# KiCad board Layer0.kicad_pcb (continued)
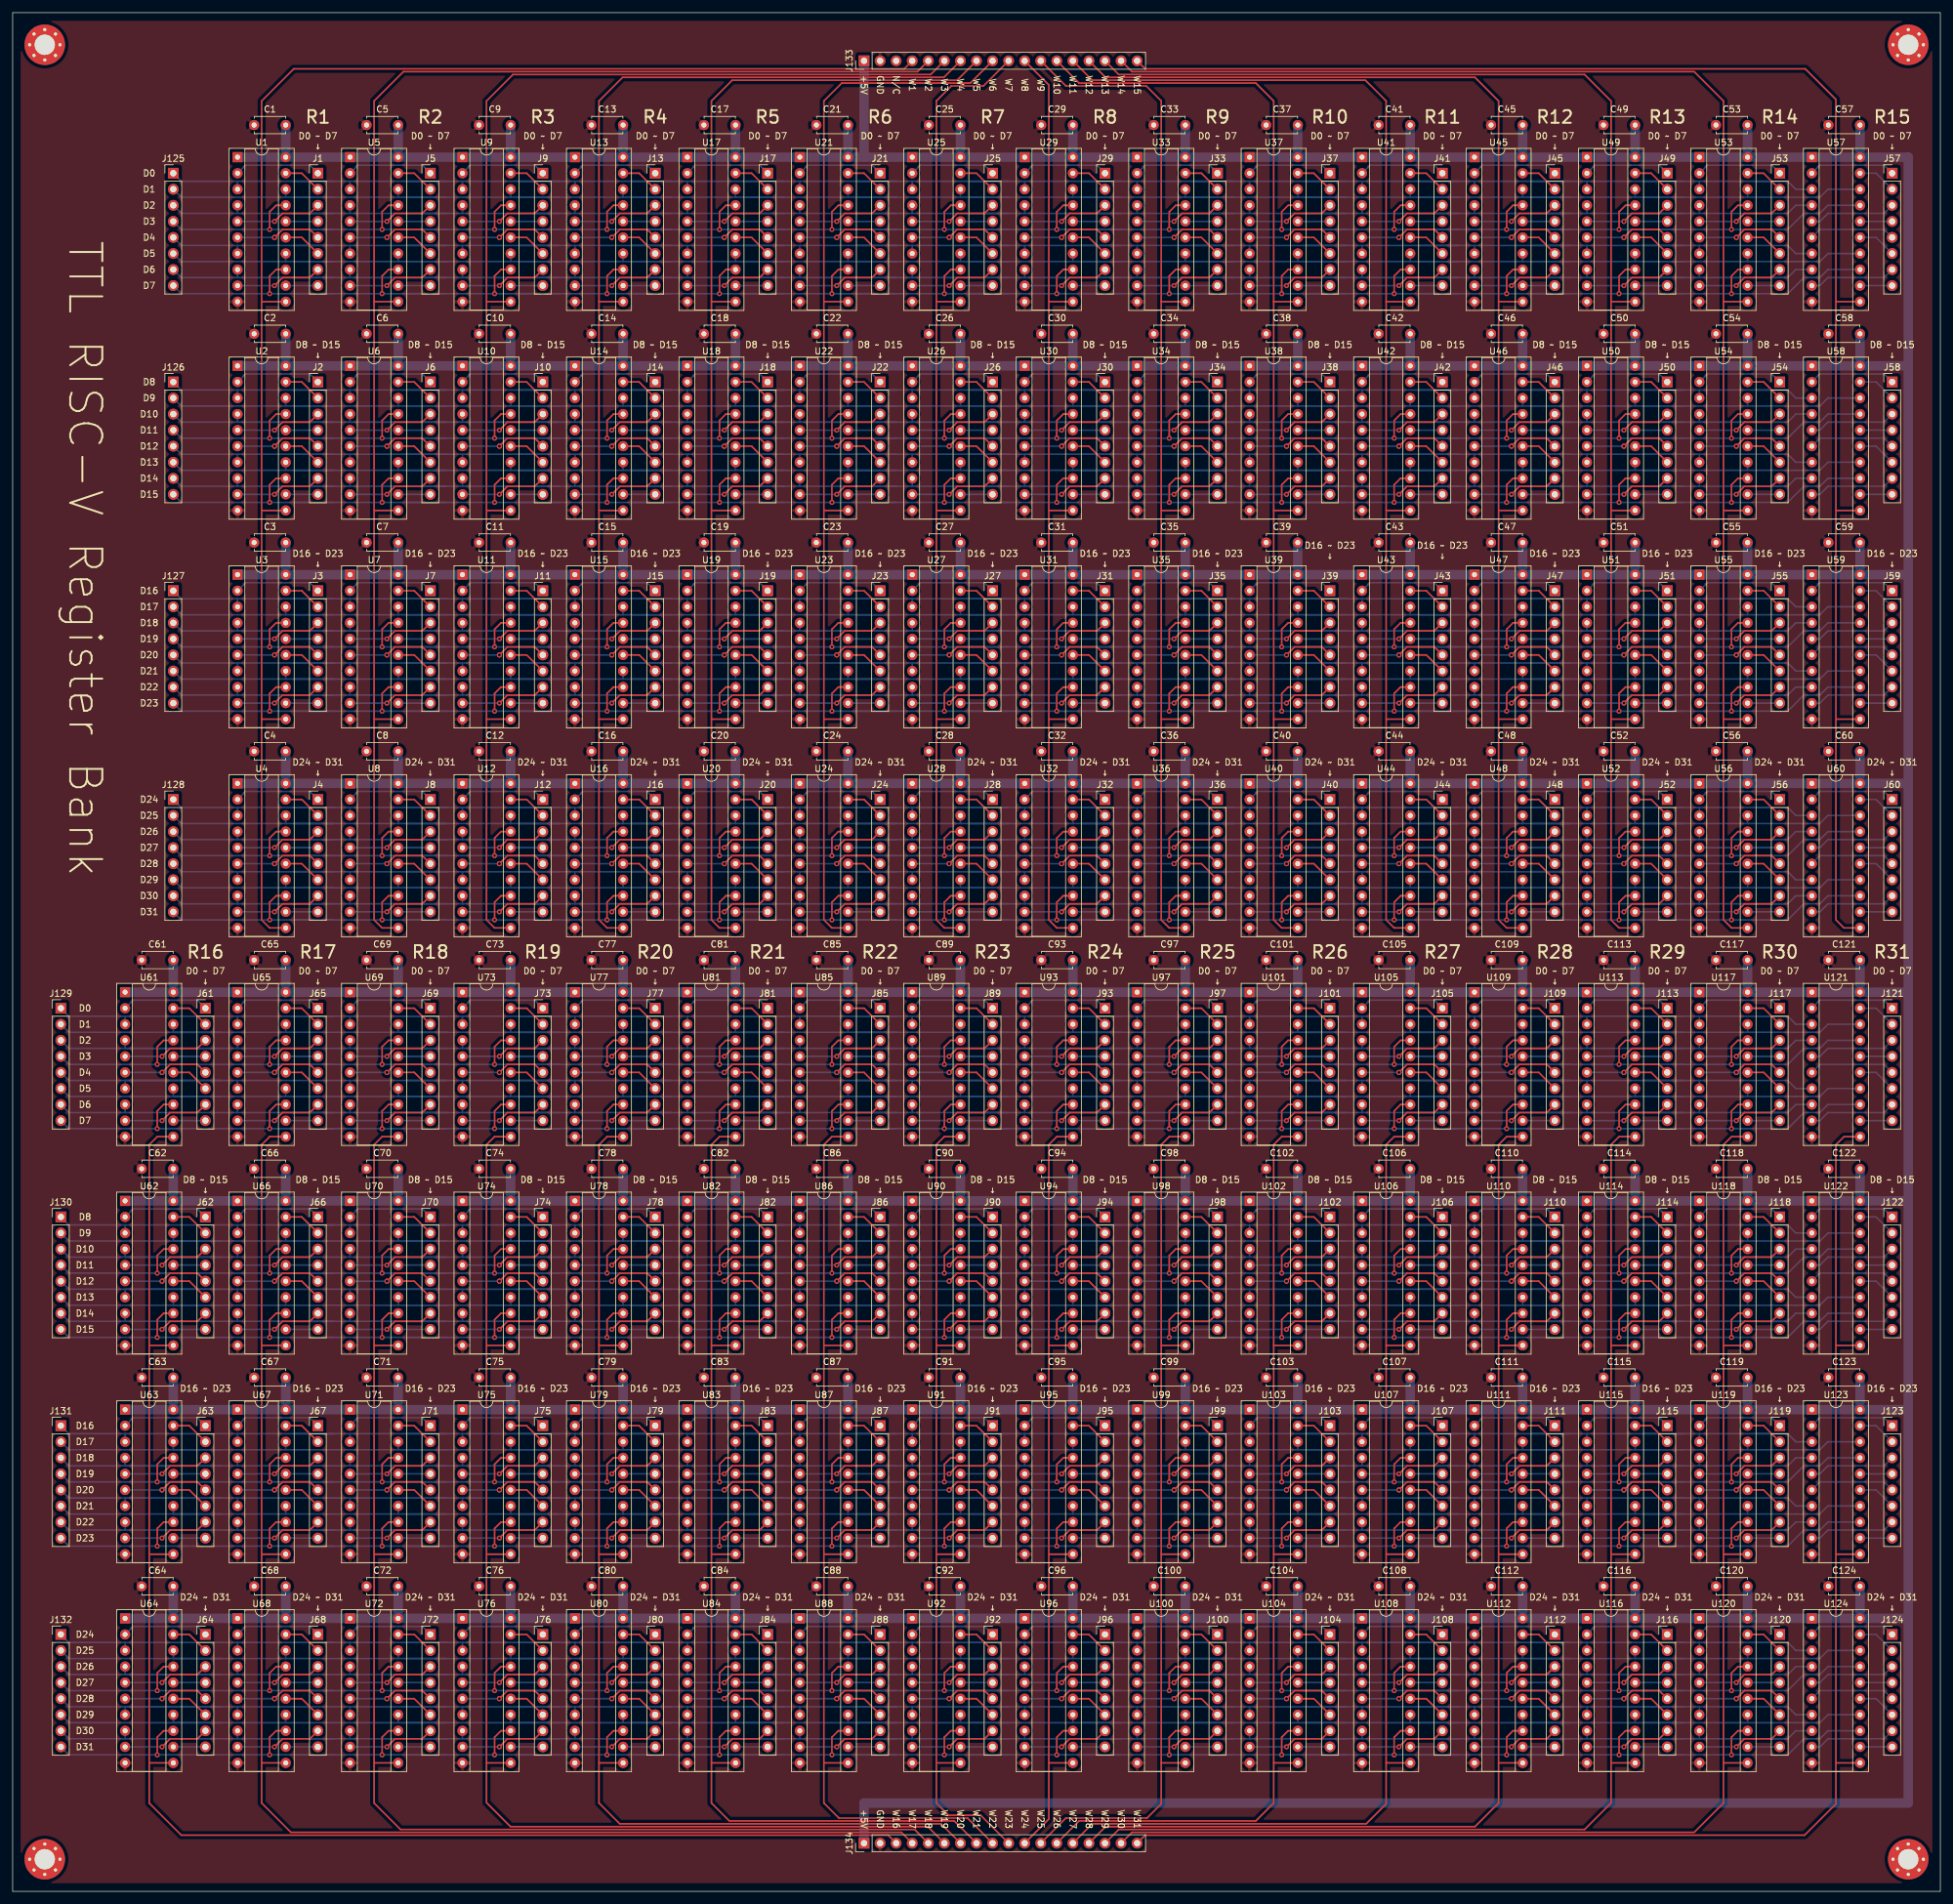
[diagram p0: board, top side]
## Nets (continued)
Net-(J46-Pad5): J46.5 U46.6
Net-(J46-Pad6): J46.6 U46.15
Net-(J46-Pad7): J46.7 U46.9
Net-(J46-Pad8): J46.8 U46.12
Net-(J47-Pad1): J47.1 U47.2
Net-(J47-Pad2): J47.2 U47.19
Net-(J47-Pad3): J47.3 U47.5
Net-(J47-Pad4): J47.4 U47.16
Net-(J47-Pad5): J47.5 U47.6
Net-(J47-Pad6): J47.6 U47.15
Net-(J47-Pad7): J47.7 U47.9
Net-(J47-Pad8): J47.8 U47.12
Net-(J48-Pad1): J48.1 U48.2
Net-(J48-Pad2): J48.2 U48.19
Net-(J48-Pad3): J48.3 U48.5
Net-(J48-Pad4): J48.4 U48.16
Net-(J48-Pad5): J48.5 U48.6
Net-(J48-Pad6): J48.6 U48.15
Net-(J48-Pad7): J48.7 U48.9
Net-(J48-Pad8): J48.8 U48.12
Net-(J49-Pad1): J49.1 U49.2
Net-(J49-Pad2): J49.2 U49.19
Net-(J49-Pad3): J49.3 U49.5
Net-(J49-Pad4): J49.4 U49.16
Net-(J49-Pad5): J49.5 U49.6
Net-(J49-Pad6): J49.6 U49.15
Net-(J49-Pad7): J49.7 U49.9
Net-(J49-Pad8): J49.8 U49.12
Net-(J50-Pad1): J50.1 U50.2
Net-(J50-Pad2): J50.2 U50.19
Net-(J50-Pad3): J50.3 U50.5
Net-(J50-Pad4): J50.4 U50.16
Net-(J50-Pad5): J50.5 U50.6
Net-(J50-Pad6): J50.6 U50.15
Net-(J50-Pad7): J50.7 U50.9
Net-(J50-Pad8): J50.8 U50.12
Net-(J51-Pad1): J51.1 U51.2
Net-(J51-Pad2): J51.2 U51.19
Net-(J51-Pad3): J51.3 U51.5
Net-(J51-Pad4): J51.4 U51.16
Net-(J51-Pad5): J51.5 U51.6
Net-(J51-Pad6): J51.6 U51.15
Net-(J51-Pad7): J51.7 U51.9
Net-(J51-Pad8): J51.8 U51.12
Net-(J52-Pad1): J52.1 U52.2
Net-(J52-Pad2): J52.2 U52.19
Net-(J52-Pad3): J52.3 U52.5
Net-(J52-Pad4): J52.4 U52.16
Net-(J52-Pad5): J52.5 U52.6
Net-(J52-Pad6): J52.6 U52.15
Net-(J52-Pad7): J52.7 U52.9
Net-(J52-Pad8): J52.8 U52.12
Net-(J53-Pad1): J53.1 U53.2
Net-(J53-Pad2): J53.2 U53.19
Net-(J53-Pad3): J53.3 U53.5
Net-(J53-Pad4): J53.4 U53.16
Net-(J53-Pad5): J53.5 U53.6
Net-(J53-Pad6): J53.6 U53.15
Net-(J53-Pad7): J53.7 U53.9
Net-(J53-Pad8): J53.8 U53.12
Net-(J54-Pad1): J54.1 U54.2
Net-(J54-Pad2): J54.2 U54.19
Net-(J54-Pad3): J54.3 U54.5
Net-(J54-Pad4): J54.4 U54.16
Net-(J54-Pad5): J54.5 U54.6
Net-(J54-Pad6): J54.6 U54.15
Net-(J54-Pad7): J54.7 U54.9
Net-(J54-Pad8): J54.8 U54.12
Net-(J55-Pad1): J55.1 U55.2
Net-(J55-Pad2): J55.2 U55.19
Net-(J55-Pad3): J55.3 U55.5
Net-(J55-Pad4): J55.4 U55.16
Net-(J55-Pad5): J55.5 U55.6
Net-(J55-Pad6): J55.6 U55.15
Net-(J55-Pad7): J55.7 U55.9
Net-(J55-Pad8): J55.8 U55.12
Net-(J56-Pad1): J56.1 U56.2
Net-(J56-Pad2): J56.2 U56.19
Net-(J56-Pad3): J56.3 U56.5
Net-(J56-Pad4): J56.4 U56.16
Net-(J56-Pad5): J56.5 U56.6
Net-(J56-Pad6): J56.6 U56.15
Net-(J56-Pad7): J56.7 U56.9
Net-(J56-Pad8): J56.8 U56.12
Net-(J57-Pad1): J57.1 U57.2
Net-(J57-Pad2): J57.2 U57.19
Net-(J57-Pad3): J57.3 U57.5
Net-(J57-Pad4): J57.4 U57.16
Net-(J57-Pad5): J57.5 U57.6
Net-(J57-Pad6): J57.6 U57.15
Net-(J57-Pad7): J57.7 U57.9
Net-(J57-Pad8): J57.8 U57.12
Net-(J58-Pad1): J58.1 U58.2
Net-(J58-Pad2): J58.2 U58.19
Net-(J58-Pad3): J58.3 U58.5
Net-(J58-Pad4): J58.4 U58.16
Net-(J58-Pad5): J58.5 U58.6
Net-(J58-Pad6): J58.6 U58.15
Net-(J58-Pad7): J58.7 U58.9
Net-(J58-Pad8): J58.8 U58.12
Net-(J59-Pad1): J59.1 U59.2
Net-(J59-Pad2): J59.2 U59.19
Net-(J59-Pad3): J59.3 U59.5
Net-(J59-Pad4): J59.4 U59.16
Net-(J59-Pad5): J59.5 U59.6
Net-(J59-Pad6): J59.6 U59.15
Net-(J59-Pad7): J59.7 U59.9
Net-(J59-Pad8): J59.8 U59.12
Net-(J60-Pad1): J60.1 U60.2
Net-(J60-Pad2): J60.2 U60.19
Net-(J60-Pad3): J60.3 U60.5
Net-(J60-Pad4): J60.4 U60.16
Net-(J60-Pad5): J60.5 U60.6
Net-(J60-Pad6): J60.6 U60.15
Net-(J60-Pad7): J60.7 U60.9
Net-(J60-Pad8): J60.8 U60.12
Net-(J61-Pad1): J61.1 U61.2
Net-(J61-Pad2): J61.2 U61.19
Net-(J61-Pad3): J61.3 U61.5
Net-(J61-Pad4): J61.4 U61.16
Net-(J61-Pad5): J61.5 U61.6
Net-(J61-Pad6): J61.6 U61.15
Net-(J61-Pad7): J61.7 U61.9
Net-(J61-Pad8): J61.8 U61.12
Net-(J62-Pad1): J62.1 U62.2
Net-(J62-Pad2): J62.2 U62.19
Net-(J62-Pad3): J62.3 U62.5
Net-(J62-Pad4): J62.4 U62.16
Net-(J62-Pad5): J62.5 U62.6
Net-(J62-Pad6): J62.6 U62.15
Net-(J62-Pad7): J62.7 U62.9
Net-(J62-Pad8): J62.8 U62.12
Net-(J63-Pad1): J63.1 U63.2
Net-(J63-Pad2): J63.2 U63.19
Net-(J63-Pad3): J63.3 U63.5
Net-(J63-Pad4): J63.4 U63.16
Net-(J63-Pad5): J63.5 U63.6
Net-(J63-Pad6): J63.6 U63.15
Net-(J63-Pad7): J63.7 U63.9
Net-(J63-Pad8): J63.8 U63.12
Net-(J64-Pad1): J64.1 U64.2
Net-(J64-Pad2): J64.2 U64.19
Net-(J64-Pad3): J64.3 U64.5
Net-(J64-Pad4): J64.4 U64.16
Net-(J64-Pad5): J64.5 U64.6
Net-(J64-Pad6): J64.6 U64.15
Net-(J64-Pad7): J64.7 U64.9
Net-(J64-Pad8): J64.8 U64.12
Net-(J65-Pad1): J65.1 U65.2
Net-(J65-Pad2): J65.2 U65.19
Net-(J65-Pad3): J65.3 U65.5
Net-(J65-Pad4): J65.4 U65.16
Net-(J65-Pad5): J65.5 U65.6
Net-(J65-Pad6): J65.6 U65.15
Net-(J65-Pad7): J65.7 U65.9
Net-(J65-Pad8): J65.8 U65.12
Net-(J66-Pad1): J66.1 U66.2
Net-(J66-Pad2): J66.2 U66.19
Net-(J66-Pad3): J66.3 U66.5
Net-(J66-Pad4): J66.4 U66.16
Net-(J66-Pad5): J66.5 U66.6
Net-(J66-Pad6): J66.6 U66.15
Net-(J66-Pad7): J66.7 U66.9
Net-(J66-Pad8): J66.8 U66.12
Net-(J67-Pad1): J67.1 U67.2
Net-(J67-Pad2): J67.2 U67.19
Net-(J67-Pad3): J67.3 U67.5
Net-(J67-Pad4): J67.4 U67.16
Net-(J67-Pad5): J67.5 U67.6
Net-(J67-Pad6): J67.6 U67.15
Net-(J67-Pad7): J67.7 U67.9
Net-(J67-Pad8): J67.8 U67.12
Net-(J68-Pad1): J68.1 U68.2
Net-(J68-Pad2): J68.2 U68.19
Net-(J68-Pad3): J68.3 U68.5
Net-(J68-Pad4): J68.4 U68.16
Net-(J68-Pad5): J68.5 U68.6
Net-(J68-Pad6): J68.6 U68.15
Net-(J68-Pad7): J68.7 U68.9
Net-(J68-Pad8): J68.8 U68.12
Net-(J69-Pad1): J69.1 U69.2
Net-(J69-Pad2): J69.2 U69.19
Net-(J69-Pad3): J69.3 U69.5
Net-(J69-Pad4): J69.4 U69.16
Net-(J69-Pad5): J69.5 U69.6
Net-(J69-Pad6): J69.6 U69.15
Net-(J69-Pad7): J69.7 U69.9
Net-(J69-Pad8): J69.8 U69.12
Net-(J70-Pad1): J70.1 U70.2
Net-(J70-Pad2): J70.2 U70.19
Net-(J70-Pad3): J70.3 U70.5
Net-(J70-Pad4): J70.4 U70.16
Net-(J70-Pad5): J70.5 U70.6
Net-(J70-Pad6): J70.6 U70.15
Net-(J70-Pad7): J70.7 U70.9
Net-(J70-Pad8): J70.8 U70.12
Net-(J71-Pad1): J71.1 U71.2
Net-(J71-Pad2): J71.2 U71.19
Net-(J71-Pad3): J71.3 U71.5
Net-(J71-Pad4): J71.4 U71.16
Net-(J71-Pad5): J71.5 U71.6
Net-(J71-Pad6): J71.6 U71.15
Net-(J71-Pad7): J71.7 U71.9
Net-(J71-Pad8): J71.8 U71.12
Net-(J72-Pad1): J72.1 U72.2
Net-(J72-Pad2): J72.2 U72.19
Net-(J72-Pad3): J72.3 U72.5
Net-(J72-Pad4): J72.4 U72.16
Net-(J72-Pad5): J72.5 U72.6
Net-(J72-Pad6): J72.6 U72.15
Net-(J72-Pad7): J72.7 U72.9
Net-(J72-Pad8): J72.8 U72.12
Net-(J73-Pad1): J73.1 U73.2
Net-(J73-Pad2): J73.2 U73.19
Net-(J73-Pad3): J73.3 U73.5
Net-(J73-Pad4): J73.4 U73.16
Net-(J73-Pad5): J73.5 U73.6
Net-(J73-Pad6): J73.6 U73.15
Net-(J73-Pad7): J73.7 U73.9
Net-(J73-Pad8): J73.8 U73.12
Net-(J74-Pad1): J74.1 U74.2
Net-(J74-Pad2): J74.2 U74.19
Net-(J74-Pad3): J74.3 U74.5
Net-(J74-Pad4): J74.4 U74.16
Net-(J74-Pad5): J74.5 U74.6
Net-(J74-Pad6): J74.6 U74.15
Net-(J74-Pad7): J74.7 U74.9
Net-(J74-Pad8): J74.8 U74.12
Net-(J75-Pad1): J75.1 U75.2
Net-(J75-Pad2): J75.2 U75.19
Net-(J75-Pad3): J75.3 U75.5
Net-(J75-Pad4): J75.4 U75.16
Net-(J75-Pad5): J75.5 U75.6
Net-(J75-Pad6): J75.6 U75.15
Net-(J75-Pad7): J75.7 U75.9
Net-(J75-Pad8): J75.8 U75.12
Net-(J76-Pad1): J76.1 U76.2
Net-(J76-Pad2): J76.2 U76.19
Net-(J76-Pad3): J76.3 U76.5
Net-(J76-Pad4): J76.4 U76.16
Net-(J76-Pad5): J76.5 U76.6
Net-(J76-Pad6): J76.6 U76.15
Net-(J76-Pad7): J76.7 U76.9
Net-(J76-Pad8): J76.8 U76.12
Net-(J77-Pad1): J77.1 U77.2
Net-(J77-Pad2): J77.2 U77.19
Net-(J77-Pad3): J77.3 U77.5
Net-(J77-Pad4): J77.4 U77.16
Net-(J77-Pad5): J77.5 U77.6
Net-(J77-Pad6): J77.6 U77.15
Net-(J77-Pad7): J77.7 U77.9
Net-(J77-Pad8): J77.8 U77.12
Net-(J78-Pad1): J78.1 U78.2
Net-(J78-Pad2): J78.2 U78.19
Net-(J78-Pad3): J78.3 U78.5
Net-(J78-Pad4): J78.4 U78.16
Net-(J78-Pad5): J78.5 U78.6
Net-(J78-Pad6): J78.6 U78.15
Net-(J78-Pad7): J78.7 U78.9
Net-(J78-Pad8): J78.8 U78.12
Net-(J79-Pad1): J79.1 U79.2
Net-(J79-Pad2): J79.2 U79.19
Net-(J79-Pad3): J79.3 U79.5
Net-(J79-Pad4): J79.4 U79.16
Net-(J79-Pad5): J79.5 U79.6
Net-(J79-Pad6): J79.6 U79.15
Net-(J79-Pad7): J79.7 U79.9
Net-(J79-Pad8): J79.8 U79.12
Net-(J80-Pad1): J80.1 U80.2
Net-(J80-Pad2): J80.2 U80.19
Net-(J80-Pad3): J80.3 U80.5
Net-(J80-Pad4): J80.4 U80.16
Net-(J80-Pad5): J80.5 U80.6
Net-(J80-Pad6): J80.6 U80.15
Net-(J80-Pad7): J80.7 U80.9
Net-(J80-Pad8): J80.8 U80.12
Net-(J81-Pad1): J81.1 U81.2
Net-(J81-Pad2): J81.2 U81.19
Net-(J81-Pad3): J81.3 U81.5
Net-(J81-Pad4): J81.4 U81.16
Net-(J81-Pad5): J81.5 U81.6
Net-(J81-Pad6): J81.6 U81.15
Net-(J81-Pad7): J81.7 U81.9
Net-(J81-Pad8): J81.8 U81.12
Net-(J82-Pad1): J82.1 U82.2
Net-(J82-Pad2): J82.2 U82.19
Net-(J82-Pad3): J82.3 U82.5
Net-(J82-Pad4): J82.4 U82.16
Net-(J82-Pad5): J82.5 U82.6
Net-(J82-Pad6): J82.6 U82.15
Net-(J82-Pad7): J82.7 U82.9
Net-(J82-Pad8): J82.8 U82.12
Net-(J83-Pad1): J83.1 U83.2
Net-(J83-Pad2): J83.2 U83.19
Net-(J83-Pad3): J83.3 U83.5
Net-(J83-Pad4): J83.4 U83.16
Net-(J83-Pad5): J83.5 U83.6
Net-(J83-Pad6): J83.6 U83.15
Net-(J83-Pad7): J83.7 U83.9
Net-(J83-Pad8): J83.8 U83.12
Net-(J84-Pad1): J84.1 U84.2
Net-(J84-Pad2): J84.2 U84.19
Net-(J84-Pad3): J84.3 U84.5
Net-(J84-Pad4): J84.4 U84.16
Net-(J84-Pad5): J84.5 U84.6
Net-(J84-Pad6): J84.6 U84.15
Net-(J84-Pad7): J84.7 U84.9
Net-(J84-Pad8): J84.8 U84.12
Net-(J85-Pad1): J85.1 U85.2
Net-(J85-Pad2): J85.2 U85.19
Net-(J85-Pad3): J85.3 U85.5
Net-(J85-Pad4): J85.4 U85.16
Net-(J85-Pad5): J85.5 U85.6
Net-(J85-Pad6): J85.6 U85.15
Net-(J85-Pad7): J85.7 U85.9
Net-(J85-Pad8): J85.8 U85.12
Net-(J86-Pad1): J86.1 U86.2
Net-(J86-Pad2): J86.2 U86.19
Net-(J86-Pad3): J86.3 U86.5
Net-(J86-Pad4): J86.4 U86.16
Net-(J86-Pad5): J86.5 U86.6
Net-(J86-Pad6): J86.6 U86.15
Net-(J86-Pad7): J86.7 U86.9
Net-(J86-Pad8): J86.8 U86.12
Net-(J87-Pad1): J87.1 U87.2
Net-(J87-Pad2): J87.2 U87.19
Net-(J87-Pad3): J87.3 U87.5
Net-(J87-Pad4): J87.4 U87.16
Net-(J87-Pad5): J87.5 U87.6
Net-(J87-Pad6): J87.6 U87.15
Net-(J87-Pad7): J87.7 U87.9
Net-(J87-Pad8): J87.8 U87.12
Net-(J88-Pad1): J88.1 U88.2
Net-(J88-Pad2): J88.2 U88.19
Net-(J88-Pad3): J88.3 U88.5
Net-(J88-Pad4): J88.4 U88.16
Net-(J88-Pad5): J88.5 U88.6
Net-(J88-Pad6): J88.6 U88.15
Net-(J88-Pad7): J88.7 U88.9
Net-(J88-Pad8): J88.8 U88.12
Net-(J89-Pad1): J89.1 U89.2
Net-(J89-Pad2): J89.2 U89.19
Net-(J89-Pad3): J89.3 U89.5
Net-(J89-Pad4): J89.4 U89.16
Net-(J89-Pad5): J89.5 U89.6
Net-(J89-Pad6): J89.6 U89.15
Net-(J89-Pad7): J89.7 U89.9
Net-(J89-Pad8): J89.8 U89.12
Net-(J90-Pad1): J90.1 U90.2
Net-(J90-Pad2): J90.2 U90.19
Net-(J90-Pad3): J90.3 U90.5
Net-(J90-Pad4): J90.4 U90.16
Net-(J90-Pad5): J90.5 U90.6
Net-(J90-Pad6): J90.6 U90.15
Net-(J90-Pad7): J90.7 U90.9
Net-(J90-Pad8): J90.8 U90.12
Net-(J91-Pad1): J91.1 U91.2
Net-(J91-Pad2): J91.2 U91.19
Net-(J91-Pad3): J91.3 U91.5
Net-(J91-Pad4): J91.4 U91.16
Net-(J91-Pad5): J91.5 U91.6
Net-(J91-Pad6): J91.6 U91.15
Net-(J91-Pad7): J91.7 U91.9
Net-(J91-Pad8): J91.8 U91.12
Net-(J92-Pad1): J92.1 U92.2
Net-(J92-Pad2): J92.2 U92.19
Net-(J92-Pad3): J92.3 U92.5
Net-(J92-Pad4): J92.4 U92.16
Net-(J92-Pad5): J92.5 U92.6
Net-(J92-Pad6): J92.6 U92.15
Net-(J92-Pad7): J92.7 U92.9
Net-(J92-Pad8): J92.8 U92.12
Net-(J93-Pad1): J93.1 U93.2
Net-(J93-Pad2): J93.2 U93.19
Net-(J93-Pad3): J93.3 U93.5
Net-(J93-Pad4): J93.4 U93.16
Net-(J93-Pad5): J93.5 U93.6
Net-(J93-Pad6): J93.6 U93.15
Net-(J93-Pad7): J93.7 U93.9
Net-(J93-Pad8): J93.8 U93.12
Net-(J94-Pad1): J94.1 U94.2
Net-(J94-Pad2): J94.2 U94.19
Net-(J94-Pad3): J94.3 U94.5
Net-(J94-Pad4): J94.4 U94.16
Net-(J94-Pad5): J94.5 U94.6
Net-(J94-Pad6): J94.6 U94.15
Net-(J94-Pad7): J94.7 U94.9
Net-(J94-Pad8): J94.8 U94.12
Net-(J95-Pad1): J95.1 U95.2
Net-(J95-Pad2): J95.2 U95.19
Net-(J95-Pad3): J95.3 U95.5
Net-(J95-Pad4): J95.4 U95.16
Net-(J95-Pad5): J95.5 U95.6
Net-(J95-Pad6): J95.6 U95.15
Net-(J95-Pad7): J95.7 U95.9
Net-(J95-Pad8): J95.8 U95.12
Net-(J96-Pad1): J96.1 U96.2
Net-(J96-Pad2): J96.2 U96.19
Net-(J96-Pad3): J96.3 U96.5
Net-(J96-Pad4): J96.4 U96.16
Net-(J96-Pad5): J96.5 U96.6
Net-(J96-Pad6): J96.6 U96.15
Net-(J96-Pad7): J96.7 U96.9
Net-(J96-Pad8): J96.8 U96.12
Net-(J97-Pad1): J97.1 U97.2
Net-(J97-Pad2): J97.2 U97.19
Net-(J97-Pad3): J97.3 U97.5
Net-(J97-Pad4): J97.4 U97.16
Net-(J97-Pad5): J97.5 U97.6
Net-(J97-Pad6): J97.6 U97.15
Net-(J97-Pad7): J97.7 U97.9
Net-(J97-Pad8): J97.8 U97.12
Net-(J98-Pad1): J98.1 U98.2
Net-(J98-Pad2): J98.2 U98.19
Net-(J98-Pad3): J98.3 U98.5
Net-(J98-Pad4): J98.4 U98.16
Net-(J98-Pad5): J98.5 U98.6
Net-(J98-Pad6): J98.6 U98.15
Net-(J98-Pad7): J98.7 U98.9
Net-(J98-Pad8): J98.8 U98.12
Net-(J99-Pad1): J99.1 U99.2
Net-(J99-Pad2): J99.2 U99.19
Net-(J99-Pad3): J99.3 U99.5
Net-(J99-Pad4): J99.4 U99.16
Net-(J99-Pad5): J99.5 U99.6
Net-(J99-Pad6): J99.6 U99.15
Net-(J99-Pad7): J99.7 U99.9
Net-(J99-Pad8): J99.8 U99.12
Net-(J100-Pad1): J100.1 U100.2
Net-(J100-Pad2): J100.2 U100.19
Net-(J100-Pad3): J100.3 U100.5
Net-(J100-Pad4): J100.4 U100.16
Net-(J100-Pad5): J100.5 U100.6
Net-(J100-Pad6): J100.6 U100.15
Net-(J100-Pad7): J100.7 U100.9
Net-(J100-Pad8): J100.8 U100.12
Net-(J101-Pad1): J101.1 U101.2
Net-(J101-Pad2): J101.2 U101.19
Net-(J101-Pad3): J101.3 U101.5
Net-(J101-Pad4): J101.4 U101.16
Net-(J101-Pad5): J101.5 U101.6
Net-(J101-Pad6): J101.6 U101.15
Net-(J101-Pad7): J101.7 U101.9
Net-(J101-Pad8): J101.8 U101.12
Net-(J102-Pad1): J102.1 U102.2
Net-(J102-Pad2): J102.2 U102.19
Net-(J102-Pad3): J102.3 U102.5
Net-(J102-Pad4): J102.4 U102.16
Net-(J102-Pad5): J102.5 U102.6
Net-(J102-Pad6): J102.6 U102.15
Net-(J102-Pad7): J102.7 U102.9
Net-(J102-Pad8): J102.8 U102.12
Net-(J103-Pad1): J103.1 U103.2
Net-(J103-Pad2): J103.2 U103.19
Net-(J103-Pad3): J103.3 U103.5
Net-(J103-Pad4): J103.4 U103.16
Net-(J103-Pad5): J103.5 U103.6
Net-(J103-Pad6): J103.6 U103.15
Net-(J103-Pad7): J103.7 U103.9
Net-(J103-Pad8): J103.8 U103.12
Net-(J104-Pad1): J104.1 U104.2
Net-(J104-Pad2): J104.2 U104.19
Net-(J104-Pad3): J104.3 U104.5
Net-(J104-Pad4): J104.4 U104.16
Net-(J104-Pad5): J104.5 U104.6
Net-(J104-Pad6): J104.6 U104.15
Net-(J104-Pad7): J104.7 U104.9
Net-(J104-Pad8): J104.8 U104.12
Net-(J105-Pad1): J105.1 U105.2
Net-(J105-Pad2): J105.2 U105.19
Net-(J105-Pad3): J105.3 U105.5
Net-(J105-Pad4): J105.4 U105.16
Net-(J105-Pad5): J105.5 U105.6
Net-(J105-Pad6): J105.6 U105.15
Net-(J105-Pad7): J105.7 U105.9
Net-(J105-Pad8): J105.8 U105.12
Net-(J106-Pad1): J106.1 U106.2
Net-(J106-Pad2): J106.2 U106.19
Net-(J106-Pad3): J106.3 U106.5
Net-(J106-Pad4): J106.4 U106.16
Net-(J106-Pad5): J106.5 U106.6
Net-(J106-Pad6): J106.6 U106.15
Net-(J106-Pad7): J106.7 U106.9
Net-(J106-Pad8): J106.8 U106.12
Net-(J107-Pad1): J107.1 U107.2
Net-(J107-Pad2): J107.2 U107.19
Net-(J107-Pad3): J107.3 U107.5
Net-(J107-Pad4): J107.4 U107.16
Net-(J107-Pad5): J107.5 U107.6
Net-(J107-Pad6): J107.6 U107.15
Net-(J107-Pad7): J107.7 U107.9
Net-(J107-Pad8): J107.8 U107.12
Net-(J108-Pad1): J108.1 U108.2
Net-(J108-Pad2): J108.2 U108.19
Net-(J108-Pad3): J108.3 U108.5
Net-(J108-Pad4): J108.4 U108.16
Net-(J108-Pad5): J108.5 U108.6
Net-(J108-Pad6): J108.6 U108.15
Net-(J108-Pad7): J108.7 U108.9
Net-(J108-Pad8): J108.8 U108.12
Net-(J109-Pad1): J109.1 U109.2
Net-(J109-Pad2): J109.2 U109.19
Net-(J109-Pad3): J109.3 U109.5
Net-(J109-Pad4): J109.4 U109.16
Net-(J109-Pad5): J109.5 U109.6
Net-(J109-Pad6): J109.6 U109.15
Net-(J109-Pad7): J109.7 U109.9
Net-(J109-Pad8): J109.8 U109.12
Net-(J110-Pad1): J110.1 U110.2
Net-(J110-Pad2): J110.2 U110.19
Net-(J110-Pad3): J110.3 U110.5
Net-(J110-Pad4): J110.4 U110.16
Net-(J110-Pad5): J110.5 U110.6
Net-(J110-Pad6): J110.6 U110.15
Net-(J110-Pad7): J110.7 U110.9
Net-(J110-Pad8): J110.8 U110.12
Net-(J111-Pad1): J111.1 U111.2
Net-(J111-Pad2): J111.2 U111.19
Net-(J111-Pad3): J111.3 U111.5
Net-(J111-Pad4): J111.4 U111.16
Net-(J111-Pad5): J111.5 U111.6
Net-(J111-Pad6): J111.6 U111.15
Net-(J111-Pad7): J111.7 U111.9
Net-(J111-Pad8): J111.8 U111.12
Net-(J112-Pad1): J112.1 U112.2
Net-(J112-Pad2): J112.2 U112.19
Net-(J112-Pad3): J112.3 U112.5
Net-(J112-Pad4): J112.4 U112.16
Net-(J112-Pad5): J112.5 U112.6
Net-(J112-Pad6): J112.6 U112.15
Net-(J112-Pad7): J112.7 U112.9
Net-(J112-Pad8): J112.8 U112.12
Net-(J113-Pad1): J113.1 U113.2
Net-(J113-Pad2): J113.2 U113.19
Net-(J113-Pad3): J113.3 U113.5
Net-(J113-Pad4): J113.4 U113.16
Net-(J113-Pad5): J113.5 U113.6
Net-(J113-Pad6): J113.6 U113.15
Net-(J113-Pad7): J113.7 U113.9
Net-(J113-Pad8): J113.8 U113.12
Net-(J114-Pad1): J114.1 U114.2
Net-(J114-Pad2): J114.2 U114.19
Net-(J114-Pad3): J114.3 U114.5
Net-(J114-Pad4): J114.4 U114.16
Net-(J114-Pad5): J114.5 U114.6
Net-(J114-Pad6): J114.6 U114.15
Net-(J114-Pad7): J114.7 U114.9
Net-(J114-Pad8): J114.8 U114.12
Net-(J115-Pad1): J115.1 U115.2
Net-(J115-Pad2): J115.2 U115.19
Net-(J115-Pad3): J115.3 U115.5
Net-(J115-Pad4): J115.4 U115.16
Net-(J115-Pad5): J115.5 U115.6
Net-(J115-Pad6): J115.6 U115.15
Net-(J115-Pad7): J115.7 U115.9
Net-(J115-Pad8): J115.8 U115.12
Net-(J116-Pad1): J116.1 U116.2
Net-(J116-Pad2): J116.2 U116.19
Net-(J116-Pad3): J116.3 U116.5
Net-(J116-Pad4): J116.4 U116.16
Net-(J116-Pad5): J116.5 U116.6
Net-(J116-Pad6): J116.6 U116.15
Net-(J116-Pad7): J116.7 U116.9
Net-(J116-Pad8): J116.8 U116.12
Net-(J117-Pad1): J117.1 U117.2
Net-(J117-Pad2): J117.2 U117.19
Net-(J117-Pad3): J117.3 U117.5
Net-(J117-Pad4): J117.4 U117.16
Net-(J117-Pad5): J117.5 U117.6
Net-(J117-Pad6): J117.6 U117.15
Net-(J117-Pad7): J117.7 U117.9
Net-(J117-Pad8): J117.8 U117.12
Net-(J118-Pad1): J118.1 U118.2
Net-(J118-Pad2): J118.2 U118.19
Net-(J118-Pad3): J118.3 U118.5
Net-(J118-Pad4): J118.4 U118.16
Net-(J118-Pad5): J118.5 U118.6
Net-(J118-Pad6): J118.6 U118.15
Net-(J118-Pad7): J118.7 U118.9
Net-(J118-Pad8): J118.8 U118.12
Net-(J119-Pad1): J119.1 U119.2
Net-(J119-Pad2): J119.2 U119.19
Net-(J119-Pad3): J119.3 U119.5
Net-(J119-Pad4): J119.4 U119.16
Net-(J119-Pad5): J119.5 U119.6
Net-(J119-Pad6): J119.6 U119.15
Net-(J119-Pad7): J119.7 U119.9
Net-(J119-Pad8): J119.8 U119.12
Net-(J120-Pad1): J120.1 U120.2
Net-(J120-Pad2): J120.2 U120.19
Net-(J120-Pad3): J120.3 U120.5
Net-(J120-Pad4): J120.4 U120.16
Net-(J120-Pad5): J120.5 U120.6
Net-(J120-Pad6): J120.6 U120.15
Net-(J120-Pad7): J120.7 U120.9
Net-(J120-Pad8): J120.8 U120.12
Net-(J121-Pad1): J121.1 U121.2
Net-(J121-Pad2): J121.2 U121.19
Net-(J121-Pad3): J121.3 U121.5
Net-(J121-Pad4): J121.4 U121.16
Net-(J121-Pad5): J121.5 U121.6
Net-(J121-Pad6): J121.6 U121.15
Net-(J121-Pad7): J121.7 U121.9
Net-(J121-Pad8): J121.8 U121.12
Net-(J122-Pad1): J122.1 U122.2
Net-(J122-Pad2): J122.2 U122.19
Net-(J122-Pad3): J122.3 U122.5
Net-(J122-Pad4): J122.4 U122.16
Net-(J122-Pad5): J122.5 U122.6
Net-(J122-Pad6): J122.6 U122.15
Net-(J122-Pad7): J122.7 U122.9
Net-(J122-Pad8): J122.8 U122.12
Net-(J123-Pad1): J123.1 U123.2
Net-(J123-Pad2): J123.2 U123.19
Net-(J123-Pad3): J123.3 U123.5
Net-(J123-Pad4): J123.4 U123.16
Net-(J123-Pad5): J123.5 U123.6
Net-(J123-Pad6): J123.6 U123.15
Net-(J123-Pad7): J123.7 U123.9
Net-(J123-Pad8): J123.8 U123.12
Net-(J124-Pad1): J124.1 U124.2
Net-(J124-Pad2): J124.2 U124.19
Net-(J124-Pad3): J124.3 U124.5
Net-(J124-Pad4): J124.4 U124.16
Net-(J124-Pad5): J124.5 U124.6
Net-(J124-Pad6): J124.6 U124.15
Net-(J124-Pad7): J124.7 U124.9
Net-(J124-Pad8): J124.8 U124.12

Pads without a net: J133 3; REF** 1; REF**#2 1; REF**#3 1; REF**#4 1

## Via types
v1: diameter 0.8, hole 0.4, Top to Bottom, 696 vias

## Routing (per net, layer and track width the routed paths; a pad name or vN(x,y) marks a point on that pad's centre or on a via; arc(x,y) is an arc through that point)
+5V: length 3261.4
  Bottom w1.5: C68.2 U68.20 ; C72.2 U72.20 ; C76.2 U76.20 ; C80.2 U80.20 ; C88.2 U88.20 ; C92.2 U92.20 ; C84.2 U84.20 ; C96.2 U96.20 ; C104.2 U104.20 ; C112.2 U112.20 ; C108.2 U108.20 ; C116.2 U116.20 ; C120.2 U120.20 ; C124.2 U124.20 ; U124.20 U64.1 ; U124.20 299.72,43.18 ; C100.2 U100.20 ; C60.2 U60.20 ; U60.20 299.72,175.26 ; U60.20 U4.1 ; C59.2 U59.20 ; U59.20 299.72,208.28 ; U59.20 U3.1 ; C58.2 U58.20 ; U58.20 299.72,241.3 ; U58.20 U2.1 ; C57.2 U57.20 ; U57.20 134.62,274.32 ; U57.20 299.72,274.32 299.72,241.3 ; C117.2 U117.20 ; C118.2 U118.20 ; C119.2 U119.20 ; C36.2 U36.20 ; C35.2 U35.20 ; C34.2 U34.20 ; C33.2 U33.20 ; C93.2 U93.20 ; C94.2 U94.20 ; C95.2 U95.20 ; C40.2 U40.20 ; C39.2 U39.20 ; C38.2 U38.20 ; C37.2 U37.20 ; C97.2 U97.20 ; C98.2 U98.20 ; C99.2 U99.20 ; C4.2 U4.20 ; C3.2 U3.20 ; C2.2 U2.20 ; C1.2 U1.20 ; C61.2 U61.20 ; C62.2 U62.20 ; C63.2 U63.20 ; C56.2 U56.20 ; C55.2 U55.20 ; C54.2 U54.20 ; C53.2 U53.20 ; C113.2 U113.20 ; C114.2 U114.20 ; C115.2 U115.20 ; C52.2 U52.20 ; C51.2 U51.20 ; C50.2 U50.20 ; C49.2 U49.20 ; C109.2 U109.20 ; C110.2 U110.20 ; C111.2 U111.20 ; C121.2 U121.20 ; U121.20 299.72,142.24 ; U121.20 U61.1 ; C122.2 U122.20 ; U122.20 U62.1 ; U122.20 299.72,109.22 ; C123.2 U123.20 ; U123.20 U63.1 ; U123.20 299.72,76.2 ; C45.2 U45.20 ; C46.2 U46.20 ; C47.2 U47.20 ; C48.2 U48.20 ; C105.2 U105.20 ; C106.2 U106.20 ; C107.2 U107.20 ; C41.2 U41.20 ; C42.2 U42.20 ; C43.2 U43.20 ; C44.2 U44.20 ; C101.2 U101.20 ; C102.2 U102.20 ; C103.2 U103.20 ; C9.2 U9.20 ; C10.2 U10.20 ; C11.2 U11.20 ; C12.2 U12.20 ; C69.2 U69.20 ; C70.2 U70.20 ; C71.2 U71.20 ; C17.2 U17.20 ; C18.2 U18.20 ; C19.2 U19.20 ; C20.2 U20.20 ; C77.2 U77.20 ; C78.2 U78.20 ; C79.2 U79.20 ; C13.2 U13.20 ; C14.2 U14.20 ; C15.2 U15.20 ; C16.2 U16.20 ; C73.2 U73.20 ; C74.2 U74.20 ; C75.2 U75.20 ; C21.2 U21.20 ; C22.2 U22.20 ; C23.2 U23.20 ; C24.2 U24.20 ; C81.2 U81.20 ; C82.2 U82.20 ; C83.2 U83.20 ; C25.2 U25.20 ; C26.2 U26.20 ; C27.2 U27.20 ; C28.2 U28.20 ; C85.2 U85.20 ; C86.2 U86.20 ; C87.2 U87.20 ; C29.2 U29.20 ; C30.2 U30.20 ; C31.2 U31.20 ; C32.2 U32.20 ; C89.2 U89.20 ; C90.2 U90.20 ; C91.2 U91.20 ; C5.2 U5.20 ; C6.2 U6.20 ; C7.2 U7.20 ; C8.2 U8.20 ; C65.2 U65.20 ; C66.2 U66.20 ; C67.2 U67.20 ; 134.62,274.32 U1.1 ; 134.62,274.32 J133.1 ; C64.2 U64.20 ; J134.1 134.62,13.97 299.72,13.97 299.72,43.18 ; 299.72,76.2 299.72,43.18 ; 299.72,76.2 299.72,109.22 ; 299.72,208.28 299.72,241.3 ; 299.72,208.28 299.72,175.26 ; 299.72,142.24 299.72,175.26 ; 299.72,142.24 299.72,109.22
/D_W0_0: length 365.5
  Bottom w0.25: 88.9,270.51 104.14,270.51 ; 88.9,270.51 80.01,270.51 ; 88.9,270.51 U13.3 ; 71.12,270.51 86.36,270.51 ; 71.12,270.51 62.23,270.51 ; 71.12,270.51 U9.3 ; 53.34,270.51 68.58,270.51 ; 53.34,270.51 44.45,270.51 ; 53.34,270.51 U5.3 ; 204.47,270.51 213.36,270.51 ; 213.36,270.51 228.6,270.51 ; 213.36,270.51 U41.3 ; 133.35,270.51 142.24,270.51 ; 142.24,270.51 157.48,270.51 ; 142.24,270.51 U25.3 ; 248.92,270.51 264.16,270.51 ; 248.92,270.51 240.03,270.51 ; 248.92,270.51 U49.3 ; 177.8,270.51 193.04,270.51 ; 177.8,270.51 168.91,270.51 ; 177.8,270.51 U33.3 ; 106.68,270.51 121.92,270.51 ; 106.68,270.51 97.79,270.51 ; 106.68,270.51 U17.3 ; 222.25,270.51 231.14,270.51 ; 231.14,270.51 246.38,270.51 ; 231.14,270.51 U45.3 ; 151.13,270.51 160.02,270.51 ; 160.02,270.51 175.26,270.51 ; 160.02,270.51 U29.3 ; 257.81,270.51 266.7,270.51 ; 266.7,270.51 U53.3 ; 266.7,270.51 280.67,270.51 ; 186.69,270.51 195.58,270.51 ; 195.58,270.51 U37.3 ; 195.58,270.51 210.82,270.51 ; 115.57,270.51 124.46,270.51 ; 124.46,270.51 U21.3 ; 124.46,270.51 139.7,270.51 ; J125.1 26.67,270.51 35.56,270.51 ; 280.67,270.51 275.59,270.51 ; 280.67,270.51 281.94,269.24 U57.3 ; U1.3 35.56,270.51 ; 35.56,270.51 50.8,270.51
/D_W0_1: length 368.1
  Bottom w0.25: U13.18 96.52,267.97 ; U9.18 78.74,267.97 ; U5.18 60.96,267.97 ; 80.01,267.97 104.14,267.97 ; 62.23,267.97 86.36,267.97 ; 44.45,267.97 68.58,267.97 ; U49.18 256.54,267.97 ; U33.18 185.42,267.97 ; U17.18 114.3,267.97 ; U41.18 220.98,267.97 ; U25.18 149.86,267.97 ; U53.18 274.32,267.97 ; U37.18 203.2,267.97 ; U21.18 132.08,267.97 ; 222.25,267.97 246.38,267.97 ; 151.13,267.97 175.26,267.97 ; U45.18 238.76,267.97 ; U29.18 167.64,267.97 ; 240.03,267.97 264.16,267.97 ; 168.91,267.97 193.04,267.97 ; 97.79,267.97 121.92,267.97 ; 186.69,267.97 210.82,267.97 ; 115.57,267.97 139.7,267.97 ; 204.47,267.97 228.6,267.97 ; 133.35,267.97 157.48,267.97 ; J125.2 26.67,267.97 50.8,267.97 ; 257.81,267.97 285.75,267.97 287.02,269.24 U57.18 ; U1.18 43.18,267.97
/D_W0_2: length 360.5
  Bottom w0.25: 80.01,265.43 104.14,265.43 ; 62.23,265.43 86.36,265.43 ; 44.45,265.43 68.58,265.43 ; U13.4 88.9,265.43 ; U9.4 71.12,265.43 ; U5.4 53.34,265.43 ; 240.03,265.43 264.16,265.43 ; 168.91,265.43 193.04,265.43 ; 97.79,265.43 121.92,265.43 ; U49.4 248.92,265.43 ; U33.4 177.8,265.43 ; U17.4 106.68,265.43 ; U41.4 213.36,265.43 ; U25.4 142.24,265.43 ; 204.47,265.43 228.6,265.43 ; 133.35,265.43 157.48,265.43 ; 186.69,265.43 210.82,265.43 ; 115.57,265.43 139.7,265.43 ; U45.4 231.14,265.43 ; U29.4 160.02,265.43 ; U53.4 266.7,265.43 ; U37.4 195.58,265.43 ; U21.4 124.46,265.43 ; 222.25,265.43 246.38,265.43 ; 151.13,265.43 175.26,265.43 ; J125.3 26.67,265.43 50.8,265.43 ; 257.81,265.43 280.67,265.43 281.94,266.7 U57.4 ; U1.4 35.56,265.43
/D_W0_3: length 432.6
  Top w0.25: v1(93.98,262.89) 93.98,265.68 95,266.7 U13.17 ; v1(76.2,262.89) 76.2,265.68 77.22,266.7 U9.17 ; v1(58.42,262.89) 58.42,265.68 59.44,266.7 U5.17 ; v1(236.22,262.89) 236.22,265.68 237.24,266.7 U45.17 ; v1(165.1,262.89) 165.1,265.68 166.12,266.7 U29.17 ; U53.17 272.8,266.7 271.78,265.68 v1(271.78,262.89) ; U37.17 201.68,266.7 200.66,265.68 v1(200.66,262.89) ; U21.17 130.56,266.7 129.54,265.68 v1(129.54,262.89) ; v1(218.44,262.89) 218.44,265.68 219.46,266.7 U41.17 ; v1(147.32,262.89) 147.32,265.68 148.34,266.7 U25.17 ; v1(254,262.89) 254,265.68 255.02,266.7 U49.17 ; v1(182.88,262.89) 182.88,265.68 183.9,266.7 U33.17 ; v1(111.76,262.89) 111.76,265.68 112.78,266.7 U17.17 ; v1(40.64,262.89) 40.64,265.68 41.66,266.7 U1.17
  Bottom w0.25: 104.14,262.89 v1(93.98,262.89) 80.01,262.89 ; 86.36,262.89 v1(76.2,262.89) 62.23,262.89 ; 68.58,262.89 v1(58.42,262.89) 44.45,262.89 ; 264.16,262.89 v1(254,262.89) 240.03,262.89 ; 193.04,262.89 v1(182.88,262.89) 168.91,262.89 ; 121.92,262.89 v1(111.76,262.89) 97.79,262.89 ; 276.22,262.89 v1(271.78,262.89) 257.81,262.89 ; 210.82,262.89 v1(200.66,262.89) 186.69,262.89 ; 139.7,262.89 v1(129.54,262.89) 115.57,262.89 ; 222.25,262.89 v1(236.22,262.89) 246.38,262.89 ; 151.13,262.89 v1(165.1,262.89) 175.26,262.89 ; 228.6,262.89 v1(218.44,262.89) 204.47,262.89 ; 157.48,262.89 v1(147.32,262.89) 133.35,262.89 ; J125.4 26.67,262.89 v1(40.64,262.89) 50.8,262.89 ; U57.17 287.02,266.7 285.75,265.43 283.21,265.43 280.67,262.89 275.59,262.89
/D_W0_4: length 360.5
  Bottom w0.25: U13.7 88.9,260.35 ; U9.7 71.12,260.35 ; U5.7 53.34,260.35 ; 80.01,260.35 104.14,260.35 ; 62.23,260.35 86.36,260.35 ; 44.45,260.35 68.58,260.35 ; U49.7 248.92,260.35 ; U33.7 177.8,260.35 ; U17.7 106.68,260.35 ; 240.03,260.35 264.16,260.35 ; 168.91,260.35 193.04,260.35 ; 97.79,260.35 121.92,260.35 ; 204.47,260.35 228.6,260.35 ; 133.35,260.35 157.48,260.35 ; U41.7 213.36,260.35 ; U25.7 142.24,260.35 ; 222.25,260.35 246.38,260.35 ; 151.13,260.35 175.26,260.35 ; U45.7 231.14,260.35 ; U29.7 160.02,260.35 ; U53.7 266.7,260.35 ; U37.7 195.58,260.35 ; U21.7 124.46,260.35 ; 186.69,260.35 210.82,260.35 ; 115.57,260.35 139.7,260.35 ; J125.5 26.67,260.35 50.8,260.35 ; U57.7 281.94,259.08 280.67,260.35 257.81,260.35 ; U1.7 35.56,260.35